# KiCad board AmigaPCI Mainboard.kicad_pcb (continued)
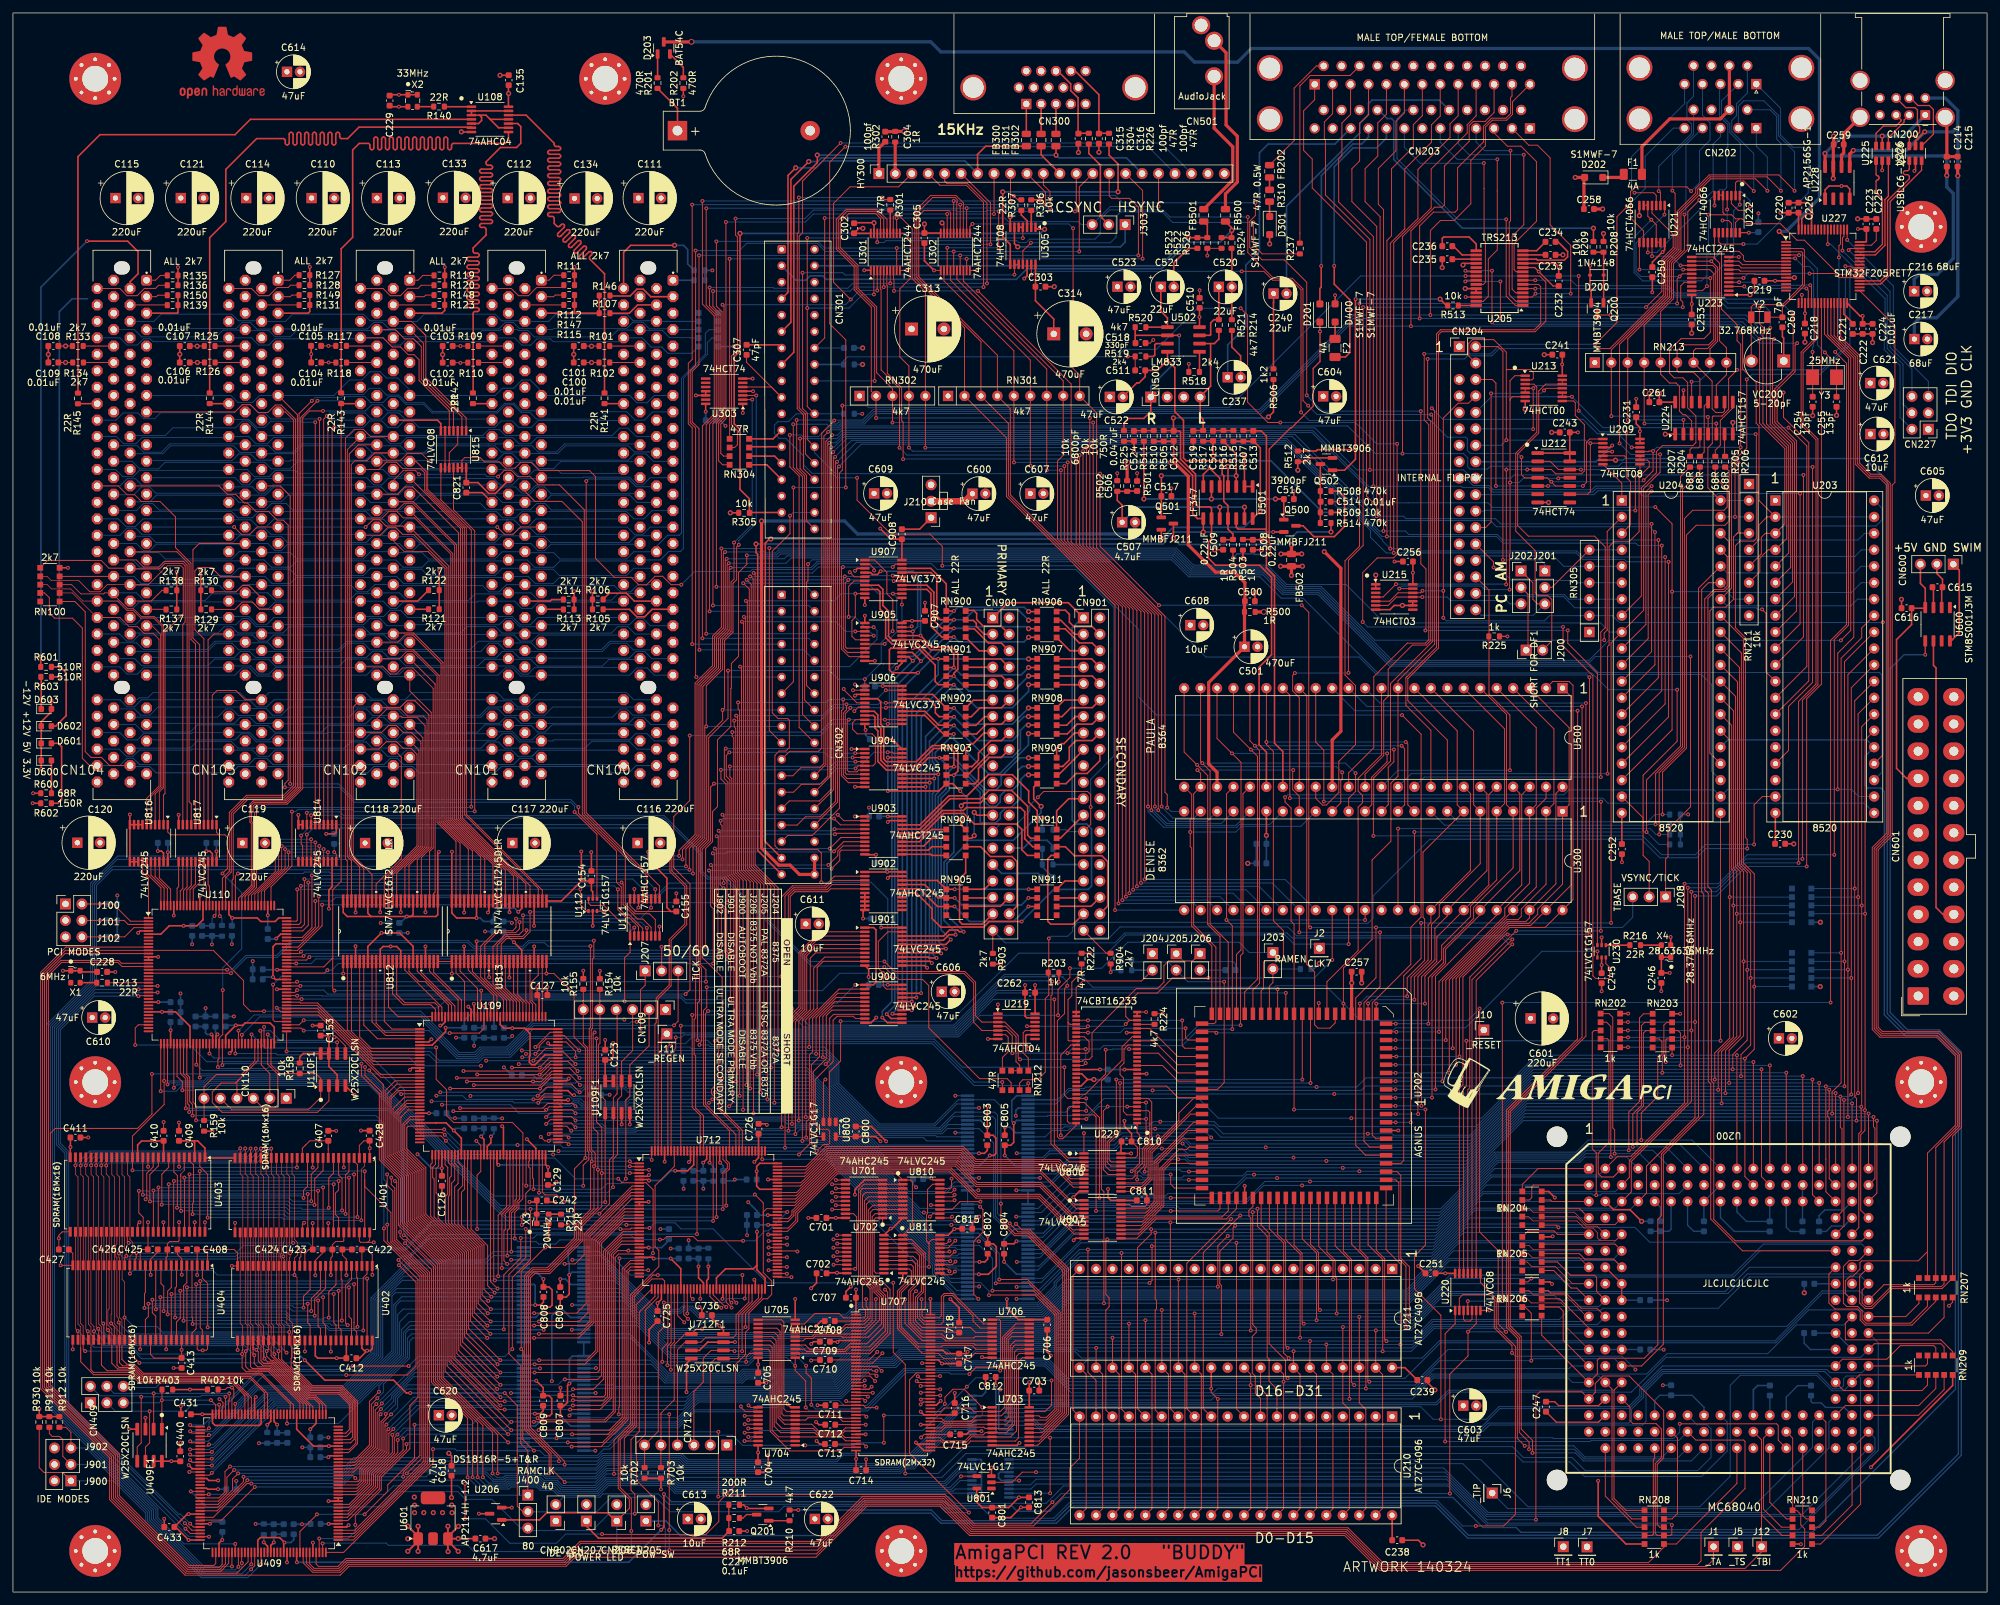
[diagram p0: board, top side]
## Nets (continued)
AD12: CN100.B47 CN101.B47 CN102.B47 CN103.B47 CN104.B47 U813.47
AD13: CN100.A46 CN101.A46 CN102.A46 CN103.A46 CN104.A46 U813.46
AD14: CN100.B45 CN101.B45 CN102.B45 CN103.B45 CN104.B45 U813.44
AD15: CN100.A44 CN101.A44 CN102.A44 CN103.A44 CN104.A44 U813.43
AD16: CN100.A32 CN101.A32 CN102.A32 CN103.A32 CN104.A32 U813.41
AD17: CN100.B32 CN101.B32 CN102.B32 CN103.B32 CN104.B32 U813.40
AD18: CN100.A31 CN101.A31 CN102.A31 CN103.A31 CN104.A31 U813.38
AD19: CN100.B30 CN101.B30 CN102.B30 CN103.B30 CN104.B30 U813.37
AD20: CN100.A29 CN101.A29 CN102.A29 CN103.A29 CN104.A29 U813.36
AD21: CN100.B29 CN101.B29 CN102.B29 CN103.B29 CN104.B29 U813.35
AD22: CN100.A28 CN101.A28 CN102.A28 CN103.A28 CN104.A28 U813.33
AD23: CN100.B27 CN101.B27 CN102.B27 CN103.B27 CN104.B27 U813.32
AD24: CN100.A25 CN101.A25 CN102.A25 CN103.A25 CN104.A25 U813.30
AD25: CN100.B24 CN101.B24 CN102.B24 CN103.B24 CN104.B24 U813.29
AD26: CN100.A23 CN101.A23 CN102.A23 CN103.A23 CN104.A23 U813.27
AD27: CN100.B23 CN101.B23 CN102.B23 CN103.B23 CN104.B23 U813.26
AD28: CN100.A22 CN101.A22 CN102.A22 CN103.A22 CN104.A22 U812.43
AD29: CN100.B21 CN101.B21 CN102.B21 CN103.B21 CN104.B21 U812.44
AD30: CN100.A20 CN101.A20 CN102.A20 CN103.A20 CN104.A20 U812.47
AD31: CN100.B20 CN101.B20 CN102.B20 CN103.B20 CN104.B20 U812.46
AgnusCLK: U202.34 U230.4
AUDIN: C240.1 R506.1
AUDIO: C506.2 C507.2 C508.2 C509.1 C510.2 C511.1 C514.2 C516.2 C517.2 C518.1 C519.1 C522.1 C523.2 CN302.34 CN302.36 CN500.2 CN500.3 FB502.1 R502.2 R518.2 R519.2 R523.1 R526.1 U500.34
AUDOUT: C520.2 R214.1 R524.2
BANK0: U401.20 U402.20 U403.20 U404.20 U409.56
BANK1: U401.21 U402.21 U403.21 U404.21 U409.34
C1: U219.3 U229.38 U229.42 U300.36 U500.28 U814.8
C3: U219.5 U229.35 U229.39 U500.29 U814.7
CBANK0: U707.22 U712.52
CBANK1: U707.23 U712.49
CCLKE: U707.67 U712.84
CLK6: R213.1 U110.21
CLK7: J2.1 R222.1 U300.35 U800.2
CLK20: R215.1 U712.20
CLK33: R140.1 U108.1
CLK40: J400.1 U109.52 U110.52 U200.133 U409.94 U712.21
CLK80: J400.3 U200.135 U409.93 U712.38
CLKCIA: U203.25 U204.25 U409.135
CLKPCI0: CN100.B16 R141.1
CLKPCI1: CN101.B16 R142.1
CLKPCI2: CN102.B16 R143.1 U109.129 U110.93
CLKPCI3: CN103.B16 R144.1
CLKPCI4: CN104.B16 R145.1
CMA0: U707.25 U712.55
CMA1: U707.26 U712.48
CMA2: U707.27 U712.47
CMA3: U707.60 U712.76
CMA4: U707.61 U712.78
CMA5: U707.62 U712.79
CMA6: U707.63 U712.80
CMA7: U707.64 U712.81
CMA8: U707.65 U712.82
CMA9: U707.66 U712.83
CMA10: U707.24 U712.56
CONFIG_CYCLE: U109.15 U110.79 U111.1 U112.6
CONFIGED: U109.21 U409.110
CYCLE_ACTIVE: U109.12 U110.80
D0: RN202.8 U200.39 U210.19 U227.22 U802.46
D1: RN202.6 U200.21 U210.18 U227.23 U802.43
D2: RN202.9 U200.40 U210.17 U227.24 U802.47
D3: RN202.7 U200.2 U210.16 U227.25 U802.40
D4: RN202.4 U200.3 U210.15 U802.41
D5: RN202.2 U200.4 U210.14 U802.38
D6: RN202.1 U200.5 U210.13 U802.37
D7: RN203.1 U200.6 U210.12 U802.36
D8: RN202.3 U200.25 U210.10 U802.44
D9: RN203.2 U200.7 U210.9 U802.35
D10: RN203.3 U200.8 U210.8 U802.33
D11: RN203.4 U200.9 U210.7 U802.32
D12: RN203.6 U200.10 U210.6 U803.26
D13: RN203.7 U200.11 U210.5 U803.29
D14: RN203.8 U200.12 U210.4 U803.30
D15: RN203.9 U200.13 U210.3 U803.33
D16: RN200.6 U200.29 U204.33 U211.19 U803.27
D17: RN200.7 U200.14 U204.32 U211.18 U803.35
D18: RN200.8 U200.30 U204.31 U211.17 U803.32
D19: RN200.9 U200.15 U204.30 U211.16 U803.37
D20: RN201.6 U200.16 U204.29 U211.15 U803.41
D21: RN201.7 U200.17 U204.28 U211.14 U803.46
D22: RN201.8 U200.34 U204.27 U211.13 U803.40
D23: RN201.9 U200.51 U204.26 U211.12 U803.36
D24: RN200.1 U200.18 U203.33 U211.10 U802.27
D25: RN200.2 U200.52 U203.32 U211.9 U803.38
D26: RN200.3 U200.36 U203.31 U211.8 U802.29
D27: RN200.4 U200.58 U203.30 U211.7 U803.43
D28: RN201.1 U200.54 U203.29 U211.6 U802.30
D29: RN201.2 U200.64 U203.28 U211.5 U803.44
D30: RN201.3 U200.65 U203.27 U211.4 U803.47
D31: RN201.4 U200.60 U203.26 U211.3 U802.26
DA0: U712.129 U902.3
DA1: U712.128 U902.2
DA2: U712.120 U902.4
DBDIR: U705.1 U706.1 U712.43
DIR: CN204.18 U203.11
DKWE: U213.12 U213.13 U500.39
DMAL: U202.18 U500.12
DRA0-G: U202.42 U229.10 U806.13
DRA1-0: U202.43 U806.12
DRA2-1: U202.44 U806.11
DRA3-2: U202.45 U807.18
DRA4-3: U202.46 U807.17
DRA5-4: U202.47 U807.16
DRA6-5: U202.48 U807.15
DRA7-6: U202.49 U807.14
DRA8-7: U202.50 U807.13
DRA9-8: U229.37 U806.16
DRD0: U202.14 U300.7 U500.10 U810.18
DRD1: U202.13 U300.6 U500.9 U810.17
DRD2: U202.12 U300.5 U500.7 U810.16
DRD3: U202.11 U300.4 U500.6 U810.15
DRD4: U202.10 U300.3 U500.5 U810.14
DRD5: U202.9 U300.2 U500.4 U810.13
DRD6: U202.8 U300.1 U500.3 U810.12
DRD7: U202.7 U300.48 U500.2 U810.11
DRD8: U202.6 U300.47 U500.1 U811.18
DRD9: U202.5 U300.46 U500.48 U811.17
DRD10: U202.4 U300.45 U500.47 U811.16
DRD11: U202.3 U300.44 U500.46 U811.15
DRD12: U202.2 U300.43 U500.45 U811.14
DRD13: U202.1 U300.42 U500.44 U811.13
DRD14: U202.84 U300.41 U500.43 U811.12
DRD15: U202.83 U300.40 U500.42 U811.11
DRDDIR: U712.87 U810.1 U811.1
EMA0: U401.23 U402.23 U403.23 U404.23 U409.39
EMA1: U401.24 U402.24 U403.24 U404.24 U409.61
EMA2: U401.25 U402.25 U403.25 U404.25 U409.43
EMA3: U401.26 U402.26 U403.26 U404.26 U409.62
EMA4: U401.29 U402.29 U403.29 U404.29 U409.45
EMA5: U401.30 U402.30 U403.30 U404.30 U409.44
EMA6: U401.31 U402.31 U403.31 U404.31 U409.42
EMA7: U401.32 U402.32 U403.32 U404.32 U409.41
EMA8: U401.33 U402.33 U403.33 U404.33 U409.38
EMA9: U401.34 U402.34 U403.34 U404.34 U409.37
EMA10: U401.22 U402.22 U403.22 U404.22 U409.60
EMA11: U401.35 U402.35 U403.35 U404.35 U409.33
EMA12: U401.36 U402.36 U403.36 U404.36 U409.32
EMCLKE: U401.37 U402.37 U403.37 U404.37 U409.48
FLTLEFT: CN301.3 FB500.1 R524.1 R526.2
FLTRIGHT: CN301.4 FB501.1 R522.1 R523.2
IDEDIR: U110.83 U900.1 U901.1
IDSEL0: CN100.A26 U111.9
IDSEL1: CN101.A26 U111.7
IDSEL2: CN102.A26 U111.12
IDSEL3: CN103.A26 U111.4
IDSEL4: CN104.A26 U112.4
IORDY: U110.110 U815.11
KBData: RN211.3 U204.39 U227.39
LVA0: U110.62 U712.34 U805.2
LVA1: U110.61 U409.136 U712.28 U805.9
LVA2: U109.22 U409.11 U712.26 U805.11
LVA3: U109.24 U409.15 U712.24 U805.13
LVA4: U109.28 U409.18 U712.19 U805.17
LVA5: U109.38 U409.24 U712.16 U805.23
LVA6: U109.39 U409.25 U712.15 U804.2
LVA7: U109.43 U409.87 U712.10 U804.6
LVA8: U109.62 U409.75 U712.8 U804.20
LVA9: U109.42 U409.88 U712.11 U804.5
LVA10: U109.18 U409.8 U712.32 U805.5
LVA11: U109.19 U409.9 U712.31 U805.6
LVA12: U109.17 U409.7 U712.33 U805.3
LVA13: U109.20 U409.10 U712.29 U805.8
LVA14: U109.23 U409.12 U712.25 U805.12
LVA15: U109.26 U409.17 U712.22 U805.16
LVA16: U109.25 U409.16 U712.23 U805.14
LVA17: U109.37 U409.23 U712.17 U805.22
LVA18: U109.41 U409.26 U712.12 U804.3
LVA19: U109.31 U409.22 U712.18 U805.20
LVA20: U109.44 U409.85 U712.9 U804.8
LVA21: U109.48 U409.82 U804.12
LVA22: U109.56 U409.79 U804.16
LVA23: U109.45 U409.84 U804.9
LVA24: U109.64 U409.73 U804.23
LVA25: U109.47 U409.83 U804.11
LVA26: U109.55 U409.80 U804.14
LVA27: U109.61 U409.76 U804.19
LVA28: U109.49 U409.81 U804.13
LVA29: U109.60 U409.78 U804.17
LVA30: U109.63 U409.74 U804.22
LVA31: U109.29 U409.19 U805.19
LVAD0: U109.2 U812.9
LVAD1: U109.1 U812.11
LVAD2: U109.144 U812.12
LVAD3: U109.143 U812.13
LVAD4: U109.142 U812.14
LVAD5: U109.139 U812.17
LVAD6: U109.141 U812.16
LVAD7: U109.138 U812.19
LVAD8: U109.3 U812.8
LVAD9: U109.137 U812.20
LVAD10: U109.136 U812.22
LVAD11: U109.135 U812.23
LVAD12: U109.134 U813.2
LVAD13: U109.130 U813.3
LVAD14: U109.125 U813.5
LVAD15: U109.124 U813.6
LVAD16: U109.122 U111.11 U813.8
LVAD17: U109.121 U111.5 U813.9
LVAD18: U109.120 U111.14 U813.11
LVAD19: U109.119 U111.2 U813.12
LVAD20: U109.118 U112.3 U813.13
LVAD21: U109.117 U813.14
LVAD22: U109.116 U813.16
LVAD23: U109.115 U813.17
LVAD24: U109.114 U813.19
LVAD25: U109.113 U813.20
LVAD26: U109.112 U813.22
LVAD27: U109.110 U813.23
LVAD28: U109.4 U812.6
LVAD29: U109.7 U812.5
LVAD30: U109.9 U812.2
LVAD31: U109.8 U812.3
LVC1: U712.142 U814.12
LVC3: U712.143 U814.13
LVCLK7: U409.49 U712.93 U800.4
LVD0: U109.33 U402.2 U404.2 U704.11 U802.3 U900.9
LVD1: U109.73 U402.4 U404.4 U704.12 U802.6 U900.7
LVD2: U109.34 U402.5 U404.5 U704.13 U802.2 U900.5
LVD3: U109.75 U402.7 U404.7 U704.14 U802.9 U900.3
LVD4: U109.74 U402.8 U404.8 U704.15 U802.8 U901.8
LVD5: U109.76 U402.10 U404.10 U704.16 U802.11 U901.6
LVD6: U109.78 U402.11 U404.11 U704.17 U802.12 U901.4
LVD7: U109.79 U402.13 U404.13 U704.18 U802.13 U901.2
LVD8: U109.32 U402.42 U404.42 U703.18 U802.5 U901.3
LVD9: U109.80 U402.44 U404.44 U703.17 U802.14 U901.5
LVD10: U109.81 U402.45 U404.45 U703.16 U802.16 U901.7
LVD11: U109.82 U402.47 U404.47 U703.15 U802.17 U901.9
LVD12: U109.107 U402.48 U404.48 U703.14 U803.23 U900.2
LVD13: U109.105 U402.50 U404.50 U703.13 U803.20 U900.4
LVD14: U109.104 U402.51 U404.51 U703.12 U803.19 U900.6
LVD15: U109.101 U402.53 U404.53 U703.11 U803.16 U900.8
LVD16: U109.106 U401.2 U403.2 U701.11 U803.22 U905.9 U907.19
LVD17: U109.99 U401.4 U403.4 U701.12 U803.14 U905.7 U907.15
LVD18: U109.102 U401.5 U403.5 U701.13 U803.17 U905.5 U907.9
LVD19: U109.97 U401.7 U403.7 U701.14 U803.12 U905.3 U907.5
LVD20: U109.94 U401.8 U403.8 U701.15 U803.8 U904.8 U906.16
LVD21: U109.90 U401.10 U403.10 U701.16 U803.3 U904.6 U906.12
LVD22: U109.95 U401.11 U403.11 U701.17 U803.9 U904.4 U906.6
LVD23: U109.98 U401.13 U403.13 U701.18 U803.13 U904.2 U906.2
LVD24: U109.85 U401.42 U403.42 U702.11 U802.22 U904.3 U906.5
LVD25: U109.96 U401.44 U403.44 U702.12 U803.11 U904.5 U906.9
LVD26: U109.84 U401.45 U403.45 U702.13 U802.20 U904.7 U906.15
LVD27: U109.93 U401.47 U403.47 U702.14 U803.6 U904.9 U906.19
LVD28: U109.83 U401.48 U403.48 U409.1 U702.15 U802.19 U905.2 U907.2
LVD29: U109.91 U401.50 U403.50 U409.2 U702.16 U803.5 U905.4 U907.6
LVD30: U109.88 U401.51 U403.51 U409.3 U702.17 U803.2 U905.6 U907.12
LVD31: U109.87 U401.53 U403.53 U409.4 U702.18 U802.23 U905.8 U907.16
LVDRA0-G: U712.104 U806.7
LVDRA1-0: U712.102 U806.8
LVDRA2-1: U712.101 U806.9
LVDRA3-2: U712.99 U807.2
LVDRA4-3: U712.98 U807.3
LVDRA5-4: U712.97 U807.4
LVDRA6-5: U712.96 U807.5
LVDRA7-6: U712.95 U807.6
LVDRA8-7: U712.91 U807.7
LVDRA9-8: U712.107 U806.4
LVPARITY: U110.144 U816.15
LVR_W: U110.76 U409.144 U701.1 U702.1 U703.1 U704.1 U712.144 U802.1 U802.24 U803.1 U803.24 U804.1 U804.24 U805.1 U805.24 U808.5 U812.1 U812.24 U813.1 U813.24
LVSIZ0: U110.17 U712.2 U809.9
LVSIZ1: U110.18 U712.1 U808.3
LVTM0: U409.99 U808.4
LVTM1: U409.98 U808.6
LVTM2: U409.95 U808.9
LVTT0: U110.60 U409.97 U712.4 U808.7
LVTT1: U110.73 U409.96 U712.3 U808.8
LVUPA0: U110.42 U809.2
LVUPA1: U110.44 U809.3
M0H: R204.2 R311.2 U300.9
M0V: R205.2 R309.2 U300.38
M1H: R206.2 R303.2 U300.8
M1V: R207.2 R312.2 U300.39
OVL: U204.2 U409.118
PAR_DA: U109.10 U110.82
PARITY: CN100.A43 CN101.A43 CN102.A43 CN103.A43 CN104.A43 U816.5
PBUSY: CN203.11 CN302.18 RN211.5 U203.2 U203.39
PCI_DATA_DIR: U109.16 U110.78
PHASEA_D: U109.11 U110.81
PIO_P0: U110.25 U409.104
PIO_P1: U110.24 U409.105
PIO_P2: U110.23 U409.106
PIO_S0: U110.22 U409.107
PIO_S1: U110.16 U409.112
PIO_S2: U110.15 U409.113
PotX0: U221.4 U223.17 U500.32
PotX1: CN202.14 U500.35
PotY0: U221.1 U223.15 U500.33
PotY1: CN202.18 U500.36
PPD0: CN203.2 CN302.23 U204.10
PPD1: CN203.3 CN302.24 U204.11
PPD2: CN203.4 CN302.25 U204.12
PPD3: CN203.5 CN302.26 U204.13
PPD4: CN203.6 CN302.27 U204.14
PPD5: CN203.7 CN302.28 U204.15
PPD6: CN203.8 CN302.29 U204.16
PPD7: CN203.9 CN302.30 U204.17
PPOUT: CN203.12 CN302.16 RN211.6 U203.3 U203.40
PSEL: CN203.13 CN302.21 Q200.3 RN211.7 U203.4
PSTROBE: CN203.1 CN301.36 RN211.8 U204.18
R_W: RN209.3 U200.112 U202.22 U203.22 U204.22 U227.27 U808.15
RAMCLK: J400.2 U401.38 U402.38 U403.38 U404.38 U707.68
RAWLEFT: C513.1 CN302.33 Q501.2 R507.1 R515.1 U501.14
RAWRIGHT: C512.1 CN302.35 Q500.2 R505.1 R510.1 U501.8
RGA1: U202.33 U300.17 U500.26
RGA2: U202.32 U300.16 U500.25
RGA3: U202.31 U300.15 U500.24
RGA4: U202.30 U300.14 U500.23
RGA5: U202.29 U300.13 U500.22
RGA6: U202.28 U300.12 U500.21
RGA7: U202.27 U300.11 U500.20
RGA8: U202.26 U300.10 U500.19
SIZ0: RN209.6 U200.119 U809.11
SIZ1: RN209.7 U200.118 U808.17
TBASE: CN302.14 J208.2 U204.19
TICK50: J207.1 U110.74
TICK60: J207.3 U110.75
TM0: RN209.4 U200.114 U808.16
TM1: RN209.2 U200.108 U808.14
TM2: RN209.1 U200.95 U808.11
TT0: J7.1 RN208.1 U200.117 U808.13
TT1: J8.1 RN208.2 U200.116 U808.12
UDB0: U701.9 U705.9 U707.2 U810.2
UDB1: U701.8 U705.8 U707.4 U810.3
UDB2: U701.7 U705.7 U707.5 U810.4
UDB3: U701.6 U705.6 U707.7 U810.5
UDB4: U701.5 U705.5 U707.8 U810.6
UDB5: U701.4 U705.4 U707.10 U810.7
UDB6: U701.3 U705.3 U707.11 U810.8
UDB7: U701.2 U705.2 U707.13 U810.9
UDB8: U702.9 U706.2 U707.85 U811.2
UDB9: U702.8 U706.3 U707.83 U811.3
UDB10: U702.7 U706.4 U707.82 U811.4
UDB11: U702.6 U706.5 U707.80 U811.5
UDB12: U702.5 U706.6 U707.79 U811.6
UDB13: U702.4 U706.7 U707.77 U811.7
UDB14: U702.3 U706.8 U707.76 U811.8
UDB15: U702.2 U706.9 U707.74 U811.9
UPA0: RN208.7 U200.123 U809.18
UPA1: RN208.8 U200.121 U809.17
VCDAC: CN302.15 RN212.8 U303.3
Vref: C506.1 C507.1 R501.2 R502.1 U501.10 U501.13
XCLK: R307.2 U230.3
Net-(BT1-+): BT1.1 R201.1
Net-(C237-Pad2): C237.2 R214.2
Net-(C315-Pad1): C315.1 CN300.13 R304.1
Net-(C316-Pad1): C316.1 CN300.14 R226.1
Net-(C515-Pad2): C515.2 R515.2 R516.1
Net-(C520-Pad1): C520.1 R521.2 U502.7
Net-(C521-Pad1): C521.1 R520.2 U502.1
Net-(C521-Pad2): C521.2 R522.2
Net-(C524-Pad2): C524.2 R510.2 R511.1
Net-(CN100-_PRSNT1): CN100.B9 R101.1
Net-(CN100-_PRSNT2): CN100.B11 R102.1
Net-(CN100-_TRST): CN100.A1 R103.1
Net-(CN100-TCK): CN100.B2 R104.2
Net-(CN101-_PRSNT1): CN101.B9 R109.1
Net-(CN101-_PRSNT2): CN101.B11 R110.1
Net-(CN101-_TRST): CN101.A1 R111.1
Net-(CN101-TCK): CN101.B2 R112.2
Net-(CN102-_PRSNT1): CN102.B9 R117.1
Net-(CN102-_PRSNT2): CN102.B11 R118.1
Net-(CN102-_TRST): CN102.A1 R119.1
Net-(CN102-TCK): CN102.B2 R120.2
Net-(CN103-_PRSNT1): CN103.B9 R125.1
Net-(CN103-_PRSNT2): CN103.B11 R126.1
Net-(CN103-_TRST): CN103.A1 R127.1
Net-(CN103-TCK): CN103.B2 R128.2
Net-(CN104-_PRSNT1): CN104.B9 R133.1
Net-(CN104-_PRSNT2): CN104.B11 R134.1
Net-(CN104-_TRST): CN104.A1 R135.1
Net-(CN104-TCK): CN104.B2 R136.2
Net-(CN203-Pad34): CN203.34 F2.2
Net-(CN207-Pin_1): C227.1 CN207.1 R211.1 R212.2
Net-(CN300-Pad1): CN300.1 FB300.1
Net-(CN300-Pad2): CN300.2 FB301.1
Net-(CN300-Pad3): CN300.3 FB302.1
Net-(CN301-Pad33): CN301.33 R305.1 U305.1
Net-(CN500-Pin_1): C518.2 CN500.1 R520.1 R525.2 U502.2
Net-(CN500-Pin_4): C519.2 CN500.4 R517.2 R521.1 U502.6
Net-(CN501-PadR): CN501.R FB501.2
Net-(CN501-PadT): CN501.T FB500.2
Net-(CN900-Pin_31): CN900.31 R901.2
Net-(CN901-Pin_31): CN901.31 R905.2
Net-(D200-K): D200.1 Q200.1 R208.1 R209.2
Net-(D201-A): CN203.35 D201.2
Net-(D202-K): D202.1 F1.1
Net-(D203-Pad1): D203.1 R201.2
Net-(D203-Pad2): D203.2 R202.2
Net-(D301-K): D301.1 R310.2
Net-(D400-K): D400.1 F2.1
Net-(D600-A): D600.2 R602.2
Net-(D601-A): D601.2 R600.2
Net-(D602-A): D602.2 R601.2
Net-(D603-K): D603.1 R603.1
Net-(FB202-Pad1): FB202.1 R310.1
Net-(J204-B): J204.2 R229.2 U229.29 U229.30
Net-(J206-A): J206.1 U229.41
Net-(J206-B): C213.2 J206.2
Net-(J303-A): J303.1 U305.6
Net-(J303-C): J303.2 R304.2
Net-(Q201-B): Q201.1 R210.2
Net-(Q201-C): Q201.3 R211.2
Net-(Q500-G): Q500.3 R508.1
Net-(Q500-S): C516.1 Q500.1 R511.2 U501.6
Net-(Q501-G): Q501.3 R514.1
Net-(Q501-S): C517.1 Q501.1 R516.2 U501.3
Net-(Q502-B): Q502.1 R512.2 R513.2
Net-(Q502-C): C514.1 Q502.3 R508.2 R509.1 R514.2
Net-(R141-Pad2): R141.2 U108.12
Net-(R142-Pad2): R142.2 U108.10
Net-(R143-Pad2): R143.2 U108.8
Net-(R144-Pad2): R144.2 U108.6
Net-(R145-Pad2): R145.2 U108.4
Net-(R226-Pad2): R226.2 U305.8
Net-(R306-Pad2): R306.2 U305.2
Net-(R307-Pad1): R307.1 U305.3
Net-(RN212-R1.1): RN212.1 U219.10
Net-(RN212-R2.1): RN212.2 RN212.3 U219.4
Net-(RN212-R4.1): RN212.4 U219.6
Net-(RN304-R1.1): CN301.29 RN304.1
Net-(RN304-R2.1): CN301.27 RN304.2
Net-(RN304-R3.1): CN301.25 RN304.3
Net-(RN304-R4.1): CN301.23 RN304.4
Net-(RN904-R1.1): RN904.1 U903.14
Net-(RN904-R2.1): RN904.2 U903.13
Net-(RN904-R3.1): RN904.3 U903.12
Net-(RN904-R4.1): RN904.4 U903.11
Net-(RN910-R1.1): RN910.1 U903.18
Net-(RN910-R2.1): RN910.2 U903.17
Net-(RN910-R3.1): RN910.3 U903.16
Net-(RN910-R4.1): RN910.4 U903.15
Net-(U108-Pad11): U108.2 U108.3 U108.5 U108.9 U108.11 U108.13
Net-(U109-GNDPLL0): C136.2 C137.2 U109.53
Net-(U109-GNDPLL1): C138.2 C139.2 U109.127
Net-(U109-VCCPLL0): R157.2 U109.54
Net-(U109-VCCPLL1): R156.2 U109.126
Net-(U110-GNDPLL0): C149.2 C150.2 U110.53
Net-(U110-GNDPLL1): C151.2 C152.2 U110.127
Net-(U110-VCCPLL0): R161.2 U110.54
Net-(U110-VCCPLL1): R160.2 U110.126
Net-(U205B-C1+): C234.1 U205.12
Net-(U205B-C1-): C234.2 U205.14
Net-(U205B-C2+): C236.2 U205.15
Net-(U205B-C2-): C236.1 U205.16
Net-(U205B-V+): C233.1 U205.13
Net-(U205B-V-): C235.1 U205.17
Net-(U220-Pad3): U220.3 U220.5
Net-(U227-VBAT): D203.3 U227.1
Net-(U227-VCAP_1): C222.1 U227.31
Net-(U227-VCAP_2): C223.1 U227.47
Net-(U229P-16B1): R224.2 U229.25
Net-(U301-1Y2): R301.2 U301.14
Net-(U409-GNDPLL0): C438.2 C439.2 U409.53
Net-(U409-GNDPLL1): C436.2 C437.2 U409.127
Net-(U409-VCCPLL0): R401.2 U409.54
Net-(U409-VCCPLL1): R400.2 U409.126
Net-(U501A--): C515.1 R517.1 U501.1 U501.2
Net-(U501B--): C524.1 R525.1 U501.5 U501.7
Net-(U502A-+): R519.1 U502.3
Net-(U502B-+): R518.1 U502.5
Net-(U600-VCAP): C615.1 U600.3
Net-(U712-GNDPLL0): C730.2 C735.2 U712.53
Net-(U712-GNDPLL1): C728.2 C729.2 U712.127
Net-(U712-VCCPLL0): R701.2 U712.54
Net-(U712-VCCPLL1): R700.2 U712.126
Net-(U815-Pad6): U815.6 U815.9
Net-(U815-Pad10): U815.3 U815.10
Net-(X1-OUT): R213.2 X1.3
Net-(X2-OUT): R140.2 X2.3
Net-(X3-OUT): R215.2 X3.3
Net-(X4-OUT): R216.2 X4.3

Pads without a net: CN100 A9 A11 A14 A19 B4 B10 B14; CN101 A9 A11 A14 A19 B4 B10 B14; CN102 A9 A11 A14 A19 B4 B10 B14; CN103 A9 A11 A14 A19 B4 B10 B14; CN104 A9 A11 A14 A19 B4 B10 B14; CN203 15 37 38 39 40 41 42 44 46 48 49 50; CN300 4 9 11 12 15; CN301 1 2 5 31 35; CN601 8 20; CN900 21 29 32 34; CN901 21 29 32 34; J210 3; RN100 10; RN101 1 2 10; RN200 10; RN201 10; RN202 5; RN203 5; RN204 10; RN205 10; RN206 10; RN207 10; RN208 10; RN209 5; RN210 10; RN211 9; RN905 4 5; RN911 4 5; U109 35 36 50 51 58 77 109 133; U110 7 8 9 19 20 26 28 29 31 32 33 35 36 50 51 58 63 64 77 90 109 128 133; U200 120 124 126 127 140 145 147 148 149 158 164 170 176 177; U203 15 16 18; U205 19; U210 1; U211 1; U212 6 8; U215 3 8; U219 2 8 12; U222 10 11; U223 2 18; U227 2 14 15 16 17 34 41 42 43 52 53 54 56 57 58 59 61 62; U228 2 3; U229 8 9 11 12 16 17 40 45 46 48; U303 6 8 9 10 13; U401 40; U402 40; U403 40; U404 40; U409 20 35 36 50 51 52 58 63 64 77 90 91 109 119 125 128 129 130 133 134; U600 1 7; U707 14 21 30 57 69 70 73; U712 35 36 50 51 58 63 64 77 109 112 113 114 115 119 133 134 136; U800 1; U801 1; U814 11; U902 11 12 13 14

## Via types
v1: diameter 0.8, hole 0.4, Top to Bottom, 166 vias
v2: diameter 0.6, hole 0.3, Top to Bottom, 2035 vias
v3: diameter 0.9, hole 0.6, Top to Bottom, 5 vias

## Routing (per net, layer and track width the routed paths; a pad name or vN(x,y) marks a point on that pad's centre or on a via; arc(x,y) is an arc through that point)
+1V2: length 109.1
  Top w0.25: v2(98.16,53.19) 98.15,53.2 U712.27 ; U110.40 v2(24.34,86.74) ; v2(85.82,79.28) 85.48,78.94 U109.92 ; U712.92 v2(116.55,58.2) ; v2(48.7,20.83) 48.91,21.04 U409.27 ; 66.22,64.27 v2(66.22,65.45) 66.23,65.46 U109.40 ; U409.111 31.81,7.56 32.29,8.04 v2(32.32,8.04) 32.32,8.07 32.32,8.06 ; v1(61.97,14.66) 61.99,14.68 ; v2(22.45,91.1) 22.44,91.09 U110.27 ; v1(67.71,14.6) 67.72,14.61 C618.2 ; v2(31.66,15.88) 30.05,15.88 29.89,16.04 U409.92 ; v2(114.47,66.43) 115.12,67.07 U712.111 115.12,70.74 ; U110.111 v2(39.34,104.5) ; U712.40 100.12,45.2 v2(99.53,44.61) C725.1 ; U110.92 v2(40.79,96.09) ; U109.27 v2(64.24,73.94) ; U409.40 46.81,26.04 v2(45.91,25.14) ; C127.1 v2(80.96,93.45) ; U109.111 81.23,91.91
  Bottom w0.25: v2(64.24,73.94) C124.1 ; 74.22,85.59 C139.1 71.21,84.36 v2(71.2,84.35) ; C151.1 32.22,101.33 ; C437.1 38.78,10.47 ; C421.1 v2(45.91,25.14) ; C735.1 v2(104.32,54.32) ; v2(30.72,100) 30.74,100.02 C152.1 ; v2(32.32,8.04) 32.33,8.05 C420.1 ; v2(31.66,15.88) 31.67,15.87 C429.1 ; C728.1 106.59,62.28 v2(106.6,62.27) ; v2(39.34,104.5) C141.1 ; R701.1 104.38,53.1 ; 101.28,54.31 100.16,53.19 v2(98.16,53.19) ; C125.1 80.32,79.81 80.85,79.28 v2(85.82,79.28) ; C149.1 29.73,90.16 v2(29.74,90.17) ; v2(48.7,20.83) C430.1 ; v2(40.79,96.09) 38.63,96.09 ; R400.1 37.48,10.52 v2(37.47,10.53) ; v2(37.98,22.98) 37.99,22.99 R401.1 42.31,22.99 ; C724.1 114.88,58.85 v2(113.53,60.2) ; v2(116.55,58.2) 114.9,58.2 ; v2(66.22,65.45) 64.62,65.45 v2(62.47,67.6) ; C150.1 31.22,88.88 ; v2(22.45,91.1) 24.31,91.1 ; C729.1 108.07,63.5 ; C136.1 v2(75.54,73.14) ; v2(24.34,86.74) 24.34,88
  vias: v1(62.01,13.41) v1(62.01,12.26) v1(63.44,12.26) v1(64.9,12.26) v1(66.33,12.26) v1(67.75,13.43) v1(67.79,12.26)
+3V3: length 811.4
  Top w0.15: 29.24,52.9 34.13,52.9 34.68,52.36 U402.27 v2(33.8,50.36) ; 29.24,52.9 29.51,52.9 30.04,52.37 30.04,50.45 ; 29.24,52.9 C408.1 ; U401.9 48.68,68.43 48.69,68.43 48.68,68.44 48.68,69.67 ; 221.14,49.22 v2(221.15,49.21) 221.15,49.21 ; U404.43 21.25,36.69 21.81,36.12 26.06,36.12 ; 126.16,35.85 U707.15 132.21,35.85 v2(133.45,37.09) ; C407.1 47.38,69.68 v2(47.37,69.68) 47.37,69.68 45.84,69.68 ; 146.09,40.14 143.92,40.14 143.71,40.35 U707.81 140.32,40.35 139.01,41.66 139.01,46.03 v2(139.44,46.46) ; U402.9 49.08,51.59 49.31,51.82 C423.1 49.31,53.62 49.81,54.12 50.96,54.12 51.08,54.25 U401.49 ; C711.1 130.15,28.84 ; 26.04,36.14 26.04,37.4 v2(26.04,37.4) 26.04,37.41 26.04,38.95 ; U401.14 44.68,68.52 44.69,68.53 44.69,68.53 44.69,68.53 45.17,69.01 45.19,69.01 45.19,69.02 45.81,69.65 ; U402.3 53.88,52.89 ; 53.88,52.9 54.71,52.9 55.48,52.13 U402.1 55.48,48.99 v2(55.49,48.97) ; 130.13,70.34 127.06,70.34 ; v2(25.65,57.11) U403.49 25.65,54.26 25.51,54.12 24.21,54.12 23.84,53.75 C425.1 23.84,51.82 23.65,51.63 U404.9 ; v2(131.66,25.84) 131.65,25.85 U707.35 126.97,25.85 ; U401.3 53.48,68.97 54.19,69.68 55.09,69.68 ; v2(133.35,28.48) 133.35,28.48 131.66,28.48 131.29,28.85 U707.29 ; C713.1 U707.41 131.36,22.85 v2(131.73,22.47) ; v2(46.28,56.97) U401.43 46.28,52.9 ; U814.20 49.93,113.92 v2(49.6,114.25) ; C424.1 45.71,52.9 45.08,52.27 U402.14 ; v2(130.18,20.55) 130.17,20.56 ; v2(20.85,57.1) U403.43 20.85,52.94 ; 28.44,52.87 28.44,48.96 v2(28.44,48.96) ; C427.1 9.25,52.29 U404.27 v2(7.36,50.45) ; C426.1 19.94,52.9 19.65,52.61 U404.14 ; v2(140.21,23.88) 140.69,24.35 U707.49 144.7,24.35 ; 48.78,85.92 v2(48.79,85.93) ; 55.08,69.67 55.08,68.55 v2(55.09,68.54) 55.08,68.53 U401.1 ; C708.1 U707.3 131.41,41.85 132,42.44 132,43.8 131.74,44.06 v2(131.74,45.22)
  Top w0.25: X2.4 X2.1 59.61,231.21 v2(59.6,231.2) 59.59,231.21 58.29,231.21 ; U712.100 115.3,62.2 114.82,62.68 v2(114.82,64.97) 114.82,65.72 115.3,66.2 U712.108 ; v2(130.18,20.55) 130.17,20.55 C714.1 ; v2(153.46,45.22) 153.46,43.84 155.25,42.05 U706.20 159.69,42.05 ; U227.64 275.7,212.98 ; U228.4 283.6,216.66 283.14,217.12 v2(282.33,217.12) 280.38,217.12 279.79,216.53 U228.1 ; C219.1 v2(272.07,202.48) 272.08,202.47 U227.13 ; v2(130.18,46.72) 130.16,46.71 C707.1 U707.1 ; C709.1 127.25,38.66 v2(127.31,38.6) 127.56,38.85 U707.9 ; v2(98.22,63.55) 98.07,63.7 U712.6 ; U409.100 v2(27.13,12.04) 26.91,12.04 C433.1 ; 76.5,171.66 74.48,169.64 73.48,169.64 71.8,171.32 C821.2 69.99,173.58 ; 27.78,69.68 27.06,69.68 v2(27.06,69.67) 27.06,69.68 C409.1 ; 27.78,69.68 28.52,69.68 29.65,68.54 U403.1 ; 27.78,69.68 28.05,69.41 U403.3 ; U409.30 v2(48.77,22.54) 46.4,22.54 43.81,25.13 U409.46 ; 91.44,82.17 U109F1.8 U109F1.7 ; v2(129.46,130.18) 131.53,130.18 ; v2(7.72,95.94) 7.72,95.94 9.61,95.94 ; U110.89 40.52,94.59 v2(40.15,94.96) 40.15,99.66 40.58,100.09 U110.100 ; C812.1 151.74,31.9 ; U109.100 82.13,82.94 80.62,81.43 80.1,81.43 79.74,81.8 79.74,82.75 79.84,82.85 79.84,86.24 79.14,86.94 ; v2(20.45,26.92) 20.46,26.91 U409F1.3 ; v2(71.58,100.48) 71.58,100.48 U813.7 ; 171.08,69.5 171.08,67.72 172.63,67.72 v2(172.64,67.73) ; v2(98.94,51.5) 98.74,51.7 U712.30 ; 9.61,95.94 X1.1 ; 9.61,95.94 X1.4 ; U707.75 143.56,37.35 144.09,36.82 C717.1 147.14,36.82 v2(147.41,37.09) ; U109.72 82.23,66.01 v2(82.62,65.62) C129.1 ; U220.14 221.15,49.21 ; U409.6 48.76,10.54 v2(48.75,10.53) ; v2(272.9,212.99) C226.2 C220.1 ; U409.123 37.81,8.02 38.2,8.41 41.17,8.41 v2(41.93,7.65) 41.81,7.53 U409.131 ; 125.6,57.77 v2(127.05,57.77) U701.20 ; U109.123 75.23,87.63 75.79,87.07 v2(77.09,87.07) 79.01,87.07 79.14,86.94 ; v2(86.64,76.72) 86.38,76.72 85.68,77.43 84.15,77.43 ; U812.7 54.8,99.69 v2(56.89,101.78) 59.71,101.78 61.78,99.7 U812.18 ; 23,20.21 v2(24.45,20.21) 24.47,20.19 C440.2 ; C153.2 48.78,85.92 48.78,83.16 ; 80.88,60.23 79.78,60.23 v2(79.75,60.25) ; v2(31.43,114.38) U817.20 ; U907.20 137.25,162.57 ; U110.6 22.84,101.59 24.13,102.88 v2(26.36,102.88) 28.41,102.88 29.34,103.81 U110.131 ; v2(101.55,51.5) 103.12,49.93 U712.46 ; U712.57 108.62,48.51 110.01,49.9 114.31,49.9 114.88,50.47 ; v2(276.06,7.39) 276.03,7.42 RN210.5 ; v2(4.07,28.28) 4.06,28.27 R930.2 R912.2 ; v2(111.48,38.6) 111.47,38.58 U712F1.7 107.26,38.58 105.99,37.31 U712F1.3 ; U109F1.3 93.97,72.21 v2(93.98,72.21) ; 50.06,78.2 50.06,79.88 48.78,81.16 48.78,83.16 ; U905.1 v2(131.53,150.76) ; U227.32 285.19,197.06 v2(285.6,197.06) 285.6,197.05 C221.1 C224.1 ; v2(150.5,55) 150.5,53.77 151.38,53.77 151.83,53.33 151.83,50.3 150.6,49.07 v2(149.13,49.07) ; v2(244.75,17.17) 244.75,11.71 249.05,7.42 RN208.5 ; U409.108 v2(27.12,8.04) 25.12,10.04 ; v2(150.82,67.42) 151.46,67.42 151.77,67.73 151.77,70.1 151.32,70.55 150.44,70.55 v2(150.44,71.77) v2(150.44,75.06) ; v2(169.08,62.23) 169.08,60.9 169.5,60.49 U807.20 173.52,60.49 ; v2(100.05,15.87) R703.1 R702.1 ; R403.1 27.31,31.26 v2(27.32,31.27) R402.1 ; U401.27 29.74,67.04 ; 102.28,65.05 104.18,65.05 105.12,65.99 U712.131 ; 51.46,36.12 49.99,36.12 v2(49.98,36.12) 49.97,36.12 47.03,36.12 46.68,36.48 U402.43 ; U109.131 71.23,90.75 v2(71.16,90.83) ; U901.20 134.07,102.6 v2(134.06,102.61) ; C703.1 v2(156.91,32.42) ; C218.1 276.68,197.45 v2(276.69,197.46) 276.7,197.47 U227.19 ; v2(81.91,48.33) 81.91,47.11 82.79,47.11 83.24,46.66 83.24,44.3 82.93,43.99 v2(82.28,43.99) ; v2(66.8,87.14) 66.8,86.53 64.71,84.44 U109.6 ; C705.1 v2(115.06,35.13) 115.06,36.18 ; 221.14,49.22 C251.1 ; C228.1 10.56,95.76 ; U712.72 116.12,48.5 114.88,49.74 114.88,50.47 ; 48.78,83.16 44.81,83.16 44.28,82.63 R158.1 ; U110.108 41.02,104.09 40.48,103.55 38.26,103.55 37.72,104.09 v2(33.86,104.09) 33.34,104.61 U110.123 ; 23.24,69.65 21.88,69.65 v2(21.88,69.65) 21.88,69.65 19.86,69.65 19.25,69.04 U403.14 ; 115.04,22.66 115.04,21.56 v2(115.05,21.55) 115.04,21.54 C704.1 ; U110.46 27.34,87.36 25.11,89.59 v2(23.02,89.59) U110.30 ; U109.57 74.73,66.15 ; U801.5 148.8,13.9 149.65,13.05 C801.1 153.75,13.05 v2(155.33,14.62) 156.88,14.62 ; 76.5,232.67 76.5,231.43 v1(76.53,231.4) 76.5,231.37 76.5,229.37 ; C736.2 107.93,42.26 v2(109.06,41.12) 109.7,40.49 U712F1.8 ; 79.14,86.94 U109.108 ; v2(135.08,93.77) 135.09,93.76 U900.20 ; R155.1 v2(88.06,95.95) ; U403.27 8.85,68.68 v2(8.88,68.71) 8.87,68.72 C411.1 ; U813.18 78.56,99.13 v2(77.35,100.34) ; 114.88,50.47 v2(114.88,55.62) ; v2(103.51,230.97) 103.5,230.97 R202.1 ; v2(284.87,210.48) C225.2 286.17,208.57 286.07,208.47 U227.48 ; C815.1 145.41,56.11 v2(145.35,56.05) 144.39,55.09 U811.20 ; U110.57 32.84,85.95 v2(34.4,87.51) 35.47,87.51 35.84,87.88 39.69,87.88 40.34,87.23 U110.72 ; v2(255.81,95.61) 255.81,95.6 C246.1 254.51,98.04 ; v2(109.19,66.3) 109.12,66.38 U712.123 ; v2(135.08,131.69) 135.74,131.69 U904.20 ; R154.1 v2(90.62,95.93) ; C908.1 135.55,162.58 v2(133.91,164.22) ; 67.17,6.26 67.16,6.27 v1(67.18,6.25) ; X3.1 80.87,60 ; U402.9 49.08,48.95 v2(49.08,48.95) ; 27.48,27.45 29.21,27.45 v2(29.22,27.46) 29.23,27.45 U409.72 30.81,26.13 31.21,25.73 38.06,25.73 38.31,25.98 U409.57 ; C907.1 138.82,149.96 v2(138.82,149.97) 137.58,149.97 U905.20 ; v2(82.24,27.21) 82.88,27.21 83.19,27.52 83.19,29.89 82.75,30.34 81.86,30.34 81.86,31.56 v2(80.79,32.63) ; U810.20 142.07,63.62 v2(141.81,63.88) ; U906.20 v2(134.31,139.91) ; v2(92.68,84.78) 92.68,82.6 92.26,82.18 C123.2 ; U409.89 29.92,17.54 30.23,17.23 v2(31.68,17.23) ; U702.20 127.29,49.25 v2(127.23,49.31) 125.71,49.31 ; v2(140.16,27.84) 140.65,27.35 U707.55 145.12,27.35 ; U109.30 65.31,72.44 65.32,72.45 66.88,72.45 v2(68.06,71.27) 69.21,70.12 69.23,70.12 U109.46 ; R159.1 v2(30.79,71.17) ; R602.1 v2(3.11,123.35) ; U206.2 v2(77.02,13.04) ; U703.20 156.91,31.11 ; U712.89 v2(116.6,56.7) ; v2(286.87,19.28) 299.49,31.9 RN209.10 ; v2(23.91,114.23) 23.91,112.78 ; 130.13,70.34 133.19,70.34 v2(133.94,69.6) ; 68.74,8.24 v1(68.75,8.25) C617.2 ; X4.4 X4.1 ; 130.17,20.56 130.17,21.84 ; U409F1.8 U409F1.7 ; U403.9 23.25,69.66 ; U402.49 51.48,36.14